# Allegro board HI3516AREFB VER.D.brd (continued)
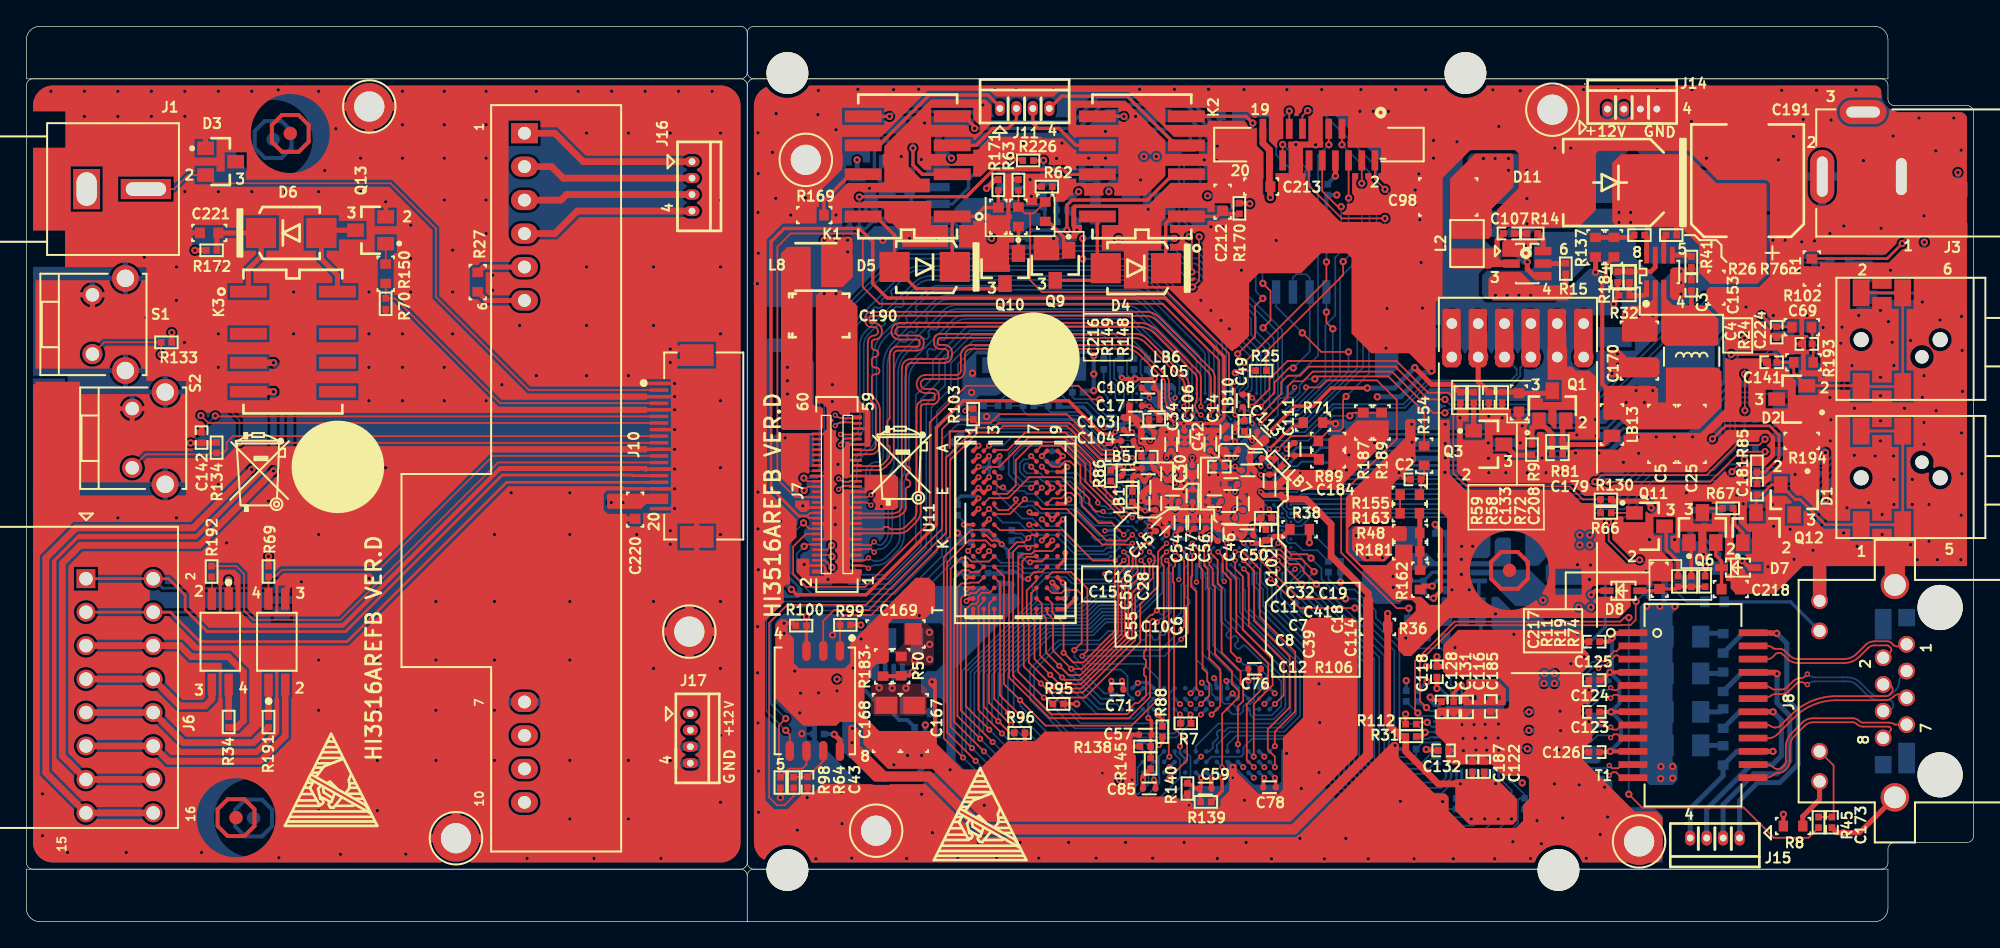
[diagram p0: board, top side]
## Placement (name value [footprint] x y rotation side) (continued)
R195  100  [SR0402]  97.24 55.42 90 bottom
R196  100  [SR0402]  96.27 55.42 90 bottom
R200  15K  [SR0402]  78.57 54.02 0 bottom
R203  75  [SR0402]  64.73 53.26 0 bottom
R204  2.7K  [SR0402]  78.57 56.05 180 bottom
R205  2.7K  [SR0402]  78.57 57.07 180 bottom
R206  22  [SR0402]  74.51 51.86 180 bottom
R208  10K  [SR0402]  77.17 54.66 90 bottom
R209  10K  [SR0402]  70.19 51.86 180 bottom
R210  10K  [SR0402]  80.09 56.69 90 bottom
R211  10K  [SR0402]  77.81 53.13 180 bottom
R221  4.7K  [SR0402]  78.57 55.04 180 bottom
R225  1K  [SR0402]  64.73 54.28 180 bottom
R226  100K  [SR0402]  76 57.78 180 top
R228  6.8K  [SR0402]  72.09 51.91 180 bottom
R229  6.8K  [SR0402]  77.17 56.43 90 bottom
S1  EVQPF204R  [TSW4-RG-C]  5.01 47.59 270 top
S2  EVQPF204R  [TSW4-RG-C]  8.03 38.95 270 top
T1  G24_0413ER  [STFM24-40-280]  126.45 16.43 270 top
U1  -  [POE]  37.79 59.86 270 top
U2  RTL8211E_VL  [MLF48A-040-0606L]  109.9 14.2 270 bottom
U3  BR_1225F1AN  [BAT2-3_5]  65.82 45.51 90 bottom
U4  MX25L25635F  [WSON8-50-0806L]  59.82 16.76 180 top
U5  ADM3485EAR_REEL7  [SOP8-50-150]  96.73 50.47 180 bottom
U6  MP1494S  [TSOT23-8]  123.91 49.32 0 top
U8  HI3516AV100  [BGA395-26-2222]  89.11 33.27 90 bottom
U9  PS2801_1_F3  [SGO4-50-173]  19 21.25 0 top
U10  PS2801_1_F3  [SGO4-50-173]  14.71 21.25 180 top
U11  H5TC4G63AFR_PBA1  [BGA96-32-1609G]  75.04 29.74 270 top
U12  H5TC4G63AFR_PBA1  [BGA96-32-1609G]  88.32 14.52 180 bottom
U13  MP6507  [QFN16-050-0303LH]  89.81 58.33 0 bottom
U15  MP1470H  [TSOT23-6]  113.88 49.96 270 top
U16  LM358  [SOP8-50-150]  71.83 55.12 270 bottom
U17  MP2122  [TSOT23-8]  108.92 26.84 90 bottom
U18  MP2122  [TSOT23-8]  65.49 17.67 180 bottom
U19  NC  [SOT23-6B]  85.03 54.09 270 bottom
X1  24MEG  [HSX4-0302]  74.33 41.45 180 bottom
X2  32.768KHZ  [HSX2-0302]  78.65 41.96 180 bottom

## Library data of the parts
C1 C2 C69 C174 C175 = HSC0402
C3 C4 C11 C33 C43 C101 C102 C107 C110 C112 C116 C118 C122-C126 C128 C129 C131-C134 C139 C141 C142 C172 C173 C177 C179-C182 C185-C189 C192 C197-C200 C214 C223 C224 C227 C228 C243 C247 C248 = SC0402
C5 C25 C162-C169 C193-C196 = SC1206
C6-C8 C10 C12 C14-C19 C28 C30 C32 C34 C39 C41 C42 C45-C47 C49-C51 C54-C57 C59 C62 C64 C68 C71 C76 C78 C83 C85 C90 C93 C103-C106 C108 C111 C113 C114 = SC0402-BGA
C97 C98 C170 = SC1210
C109 C190 = STC3528
C153 C159 C184 C208 C209 C212 C213 C215-C218 C220 C221 = SC0603
C191 = SCAPC2-280-327
D1-D3 D12 Q1-Q13 = SOT23
D4-D6 D9 D10 = SD1714A
D7 D8 = SOD323
D11 = SD2723
F1 = SF6127
J1 = VAF2
J2 = WL-UW163DN
J3 = PWC0103-M-N
J4 J5 = PHONEJ6
J6 = HD2X8_2_54
J7 = SED60-16F-A
J8 = MJ8-SRLFY
J9 = FPC20-1_0MM
J10 = FPC-20
J11 J14-J17 = WBC0104-49T
J12 = WTB4-1_25
J13 = TF_CARD-MISOSD
K1-K3 = SRLY8-87-283
L1 = L4018
L2-L7 = HSL1008
L8 = SPL0303A
LB1 LB5-LB7 LB10 = SL0402
LB13 = SL0805
LED1 = LED4-SMD
LED2 = SD3-1208-LED
M5-M11 = HOLE140-90
R1 R8 R27 R47-R49 R71 R77 R78 R90-R93 R102 R137 R148-R150 R152-R155 R160-R163 R169 R176 R178-R187 R189 = SR0603: signal model: SR0402
R2-R5 R9-R12 R14 R15 R17 R19-R26 R28-R32 R34 R35 R37 R41 R44 R45 R54-R64 R66 R67 R69 R70 R72-R74 R76 R81 R82 R85-R88 R95 R96 R98-R100 R103 R105-R112 R115 R119 R121 R124-R134 R138-R145 R170-R172 R188 R190-R192 R195 R196 R200 R203-R206 R208-R211 R221 R225 R226 R228 R229 = SR0402
R6 R7 = SR0402: signal model: SR0402_33
R13 R16 R18 R33 R36 R38 R46 R50 R89 R175 R177 R193 R194 = SR0603
S1 S2 = TSW4-RG-C
T1 = STFM24-40-280
U1 = POE
U2 = MLF48A-040-0606L
U3 = BAT2-3_5
U4 = WSON8-50-0806L: signal model: SR0402
U5 U16 = SOP8-50-150
U6 U17 U18 = TSOT23-8
U8 = BGA395-26-2222
U9 U10 = SGO4-50-173
U11 U12 = BGA96-32-1609G
U13 = QFN16-050-0303LH
U15 = TSOT23-6
U19 = SOT23-6B
X1 = HSX4-0302
X2 = HSX2-0302

## Footprints (pads in the part's own frame, mm; a bottom-side part is the same pattern mirrored in y, then rotated)
BAT2-3_5
  rect 1.016x4.013 smd: 1(-1.75,-8.18) 2(1.75,-8.18)
BGA96-32-1609G
  round 0.356 smd: A1(-6,-3.2) A2(-6,-2.4) A3(-6,-1.6) A7(-6,1.6) A8(-6,2.4) A9(-6,3.2) B1(-5.2,-3.2) B2(-5.2,-2.4) B3(-5.2,-1.6) B7(-5.2,1.6) B8(-5.2,2.4) B9(-5.2,3.2) C1(-4.4,-3.2) C2(-4.4,-2.4) C3(-4.4,-1.6) C7(-4.4,1.6) C8(-4.4,2.4) C9(-4.4,3.2) D1(-3.6,-3.2) D2(-3.6,-2.4) D3(-3.6,-1.6) D7(-3.6,1.6) D8(-3.6,2.4) D9(-3.6,3.2) E1(-2.8,-3.2) E2(-2.8,-2.4) E3(-2.8,-1.6) E7(-2.8,1.6) E8(-2.8,2.4) E9(-2.8,3.2) F1(-2,-3.2) F2(-2,-2.4) F3(-2,-1.6) F7(-2,1.6) F8(-2,2.4) F9(-2,3.2) G1(-1.2,-3.2) G2(-1.2,-2.4) G3(-1.2,-1.6) G7(-1.2,1.6) G8(-1.2,2.4) G9(-1.2,3.2) H1(-0.4,-3.2) H2(-0.4,-2.4) H3(-0.4,-1.6) H7(-0.4,1.6) H8(-0.4,2.4) H9(-0.4,3.2) J1(0.4,-3.2) J2(0.4,-2.4) J3(0.4,-1.6) J7(0.4,1.6) J8(0.4,2.4) J9(0.4,3.2) K1(1.2,-3.2) K2(1.2,-2.4) K3(1.2,-1.6) K7(1.2,1.6) K8(1.2,2.4) K9(1.2,3.2) L1(2,-3.2) L2(2,-2.4) L3(2,-1.6) L7(2,1.6) L8(2,2.4) L9(2,3.2) M1(2.8,-3.2) M2(2.8,-2.4) M3(2.8,-1.6) M7(2.8,1.6) M8(2.8,2.4) M9(2.8,3.2) N1(3.6,-3.2) N2(3.6,-2.4) N3(3.6,-1.6) N7(3.6,1.6) N8(3.6,2.4) N9(3.6,3.2) P1(4.4,-3.2) P2(4.4,-2.4) P3(4.4,-1.6) P7(4.4,1.6) P8(4.4,2.4) P9(4.4,3.2) R1(5.2,-3.2) R2(5.2,-2.4) R3(5.2,-1.6) R7(5.2,1.6) R8(5.2,2.4) R9(5.2,3.2) T1(6,-3.2) T2(6,-2.4) T3(6,-1.6) T7(6,1.6) T8(6,2.4) T9(6,3.2)
BGA395-26-2222
  round 0.254 smd: A1(-6.825,-6.825) A2(-6.825,-6.175) A3(-6.825,-5.525) A4(-6.825,-4.875) A5(-6.825,-4.225) A6(-6.825,-3.575) A7(-6.825,-2.925) A8(-6.825,-2.275) A9(-6.825,-1.625) A10(-6.825,-0.975) A11(-6.825,-0.325) A12(-6.825,0.325) A13(-6.825,0.975) A14(-6.825,1.625) A15(-6.825,2.275) A16(-6.825,2.925) A17(-6.825,3.575) A18(-6.825,4.225) A19(-6.825,4.875) A20(-6.825,5.525) A21(-6.825,6.175) A22(-6.825,6.825) AA1(6.175,-6.825) AA2(6.175,-6.175) AA3(6.175,-5.525) AA4(6.175,-4.875) AA5(6.175,-4.225) AA6(6.175,-3.575) AA7(6.175,-2.925) AA8(6.175,-2.275) AA9(6.175,-1.625) AA10(6.175,-0.975) AA11(6.175,-0.325) AA12(6.175,0.325) AA13(6.175,0.975) AA14(6.175,1.625) AA15(6.175,2.275) AA16(6.175,2.925) AA17(6.175,3.575) AA18(6.175,4.225) AA19(6.175,4.875) AA20(6.175,5.525) AA21(6.175,6.175) AA22(6.175,6.825) AB1(6.825,-6.825) AB2(6.825,-6.175) AB3(6.825,-5.525) AB4(6.825,-4.875) AB5(6.825,-4.225) AB6(6.825,-3.575) AB7(6.825,-2.925) AB8(6.825,-2.275) AB9(6.825,-1.625) AB10(6.825,-0.975) AB11(6.825,-0.325) AB12(6.825,0.325) AB13(6.825,0.975) AB14(6.825,1.625) AB15(6.825,2.275) AB16(6.825,2.925) AB17(6.825,3.575) AB18(6.825,4.225) AB19(6.825,4.875) AB20(6.825,5.525) AB21(6.825,6.175) AB22(6.825,6.825) B1(-6.175,-6.825) B2(-6.175,-6.175) B3(-6.175,-5.525) B4(-6.175,-4.875) B5(-6.175,-4.225) B6(-6.175,-3.575) B7(-6.175,-2.925) B8(-6.175,-2.275) B9(-6.175,-1.625) B10(-6.175,-0.975) B11(-6.175,-0.325) B12(-6.175,0.325) B13(-6.175,0.975) B14(-6.175,1.625) B15(-6.175,2.275) B16(-6.175,2.925) B17(-6.175,3.575) B18(-6.175,4.225) B19(-6.175,4.875) B20(-6.175,5.525) B21(-6.175,6.175) B22(-6.175,6.825) C1(-5.525,-6.825) C2(-5.525,-6.175) C3(-5.525,-5.525) C4(-5.525,-4.875) C5(-5.525,-4.225) C6(-5.525,-3.575) C7(-5.525,-2.925) C8(-5.525,-2.275) C9(-5.525,-1.625) C10(-5.525,-0.975) C11(-5.525,-0.325) C12(-5.525,0.325) C13(-5.525,0.975) C14(-5.525,1.625) C15(-5.525,2.275) C16(-5.525,2.925) C18(-5.525,4.225) C19(-5.525,4.875) C20(-5.525,5.525) C21(-5.525,6.175) C22(-5.525,6.825) D1(-4.875,-6.825) D2(-4.875,-6.175) D3(-4.875,-5.525) D4(-4.875,-4.875) D5(-4.875,-4.225) D6(-4.875,-3.575) D7(-4.875,-2.925) D8(-4.875,-2.275) D9(-4.875,-1.625) D10(-4.875,-0.975) D11(-4.875,-0.325) D12(-4.875,0.325) D13(-4.875,0.975) D14(-4.875,1.625) D15(-4.875,2.275) D16(-4.875,2.925) D17(-4.875,3.575) D18(-4.875,4.225) D19(-4.875,4.875) D20(-4.875,5.525) D21(-4.875,6.175) D22(-4.875,6.825) E1(-4.225,-6.825) E2(-4.225,-6.175) E3(-4.225,-5.525) E4(-4.225,-4.875) E5(-4.225,-4.225) E6(-4.225,-3.575) E7(-4.225,-2.925) E8(-4.225,-2.275) E9(-4.225,-1.625) E10(-4.225,-0.975) E11(-4.225,-0.325) E12(-4.225,0.325) E13(-4.225,0.975) E14(-4.225,1.625) E17(-4.225,3.575) E18(-4.225,4.225) E19(-4.225,4.875) E20(-4.225,5.525) E21(-4.225,6.175) E22(-4.225,6.825) F1(-3.575,-6.825) F2(-3.575,-6.175) F3(-3.575,-5.525) F4(-3.575,-4.875) F5(-3.575,-4.225) F18(-3.575,4.225) F19(-3.575,4.875) F20(-3.575,5.525) F21(-3.575,6.175) F22(-3.575,6.825) G1(-2.925,-6.825) G2(-2.925,-6.175) G3(-2.925,-5.525) G4(-2.925,-4.875) G5(-2.925,-4.225) G18(-2.925,4.225) G19(-2.925,4.875) G20(-2.925,5.525) G21(-2.925,6.175) G22(-2.925,6.825) H1(-2.275,-6.825) H2(-2.275,-6.175) H3(-2.275,-5.525) H4(-2.275,-4.875) H8(-2.275,-2.275) H9(-2.275,-1.625) H10(-2.275,-0.975) H11(-2.275,-0.325) H12(-2.275,0.325) H13(-2.275,0.975) H14(-2.275,1.625) H15(-2.275,2.275) H18(-2.275,4.225) H19(-2.275,4.875) H20(-2.275,5.525) H21(-2.275,6.175) H22(-2.275,6.825) J1(-1.625,-6.825) J2(-1.625,-6.175) J3(-1.625,-5.525) J4(-1.625,-4.875) J5(-1.625,-4.225) J8(-1.625,-2.275) J9(-1.625,-1.625) J10(-1.625,-0.975) J11(-1.625,-0.325) J12(-1.625,0.325) J13(-1.625,0.975) J14(-1.625,1.625) J15(-1.625,2.275) J19(-1.625,4.875) J20(-1.625,5.525) J21(-1.625,6.175) J22(-1.625,6.825) K1(-0.975,-6.825) K2(-0.975,-6.175) K3(-0.975,-5.525) K4(-0.975,-4.875) K5(-0.975,-4.225) K8(-0.975,-2.275) K9(-0.975,-1.625) K10(-0.975,-0.975) K11(-0.975,-0.325) K12(-0.975,0.325) K13(-0.975,0.975) K14(-0.975,1.625) K15(-0.975,2.275) K18(-0.975,4.225) K19(-0.975,4.875) K20(-0.975,5.525) K21(-0.975,6.175) K22(-0.975,6.825) L1(-0.325,-6.825) L2(-0.325,-6.175) L3(-0.325,-5.525) L4(-0.325,-4.875) L5(-0.325,-4.225) L8(-0.325,-2.275) L9(-0.325,-1.625) L10(-0.325,-0.975) L11(-0.325,-0.325) L12(-0.325,0.325) L13(-0.325,0.975) L14(-0.325,1.625) L15(-0.325,2.275) L18(-0.325,4.225) L19(-0.325,4.875) L20(-0.325,5.525) L21(-0.325,6.175) L22(-0.325,6.825) M1(0.325,-6.825) M2(0.325,-6.175) M3(0.325,-5.525) M4(0.325,-4.875) M5(0.325,-4.225) M8(0.325,-2.275) M9(0.325,-1.625) M10(0.325,-0.975) M11(0.325,-0.325) M12(0.325,0.325) M13(0.325,0.975) M14(0.325,1.625) M15(0.325,2.275) M18(0.325,4.225) M19(0.325,4.875) M20(0.325,5.525) M21(0.325,6.175) M22(0.325,6.825) N1(0.975,-6.825) N2(0.975,-6.175) N3(0.975,-5.525) N4(0.975,-4.875) N5(0.975,-4.225) N8(0.975,-2.275) N9(0.975,-1.625) N10(0.975,-0.975) N11(0.975,-0.325) N12(0.975,0.325) N13(0.975,0.975) N14(0.975,1.625) N15(0.975,2.275) N18(0.975,4.225) N19(0.975,4.875) N20(0.975,5.525) N21(0.975,6.175) N22(0.975,6.825) P1(1.625,-6.825) P2(1.625,-6.175) P3(1.625,-5.525) P4(1.625,-4.875) P5(1.625,-4.225) P8(1.625,-2.275) P9(1.625,-1.625) P10(1.625,-0.975) P11(1.625,-0.325) P12(1.625,0.325) P13(1.625,0.975) P14(1.625,1.625) P15(1.625,2.275) P18(1.625,4.225) P19(1.625,4.875) P20(1.625,5.525) P21(1.625,6.175) P22(1.625,6.825) R1(2.275,-6.825) R2(2.275,-6.175) R3(2.275,-5.525) R4(2.275,-4.875) R5(2.275,-4.225) R8(2.275,-2.275) R9(2.275,-1.625) R10(2.275,-0.975) R11(2.275,-0.325) R12(2.275,0.325) R13(2.275,0.975) R14(2.275,1.625) R15(2.275,2.275) R18(2.275,4.225) R19(2.275,4.875) R20(2.275,5.525) R21(2.275,6.175) R22(2.275,6.825) T1(2.925,-6.825) T2(2.925,-6.175) T3(2.925,-5.525) T4(2.925,-4.875) T5(2.925,-4.225) T18(2.925,4.225) T19(2.925,4.875) T20(2.925,5.525) T21(2.925,6.175) T22(2.925,6.825) U1(3.575,-6.825) U2(3.575,-6.175) U3(3.575,-5.525) U4(3.575,-4.875) U5(3.575,-4.225) U19(3.575,4.875) U20(3.575,5.525) U21(3.575,6.175) U22(3.575,6.825) V1(4.225,-6.825) V2(4.225,-6.175) V3(4.225,-5.525) V4(4.225,-4.875) V5(4.225,-4.225) V6(4.225,-3.575) V8(4.225,-2.275) V10(4.225,-0.975) V11(4.225,-0.325) V12(4.225,0.325) V13(4.225,0.975) V15(4.225,2.275) V16(4.225,2.925) V17(4.225,3.575) V18(4.225,4.225) V19(4.225,4.875) V20(4.225,5.525) V21(4.225,6.175) V22(4.225,6.825) W1(4.875,-6.825) W2(4.875,-6.175) W3(4.875,-5.525) W4(4.875,-4.875) W5(4.875,-4.225) W6(4.875,-3.575) W7(4.875,-2.925) W8(4.875,-2.275) W9(4.875,-1.625) W10(4.875,-0.975) W11(4.875,-0.325) W12(4.875,0.325) W13(4.875,0.975) W14(4.875,1.625) W15(4.875,2.275) W16(4.875,2.925) W17(4.875,3.575) W18(4.875,4.225) W19(4.875,4.875) W20(4.875,5.525) W21(4.875,6.175) W22(4.875,6.825) Y1(5.525,-6.825) Y2(5.525,-6.175) Y3(5.525,-5.525) Y4(5.525,-4.875) Y5(5.525,-4.225) Y6(5.525,-3.575) Y7(5.525,-2.925) Y8(5.525,-2.275) Y9(5.525,-1.625) Y10(5.525,-0.975) Y11(5.525,-0.325) Y12(5.525,0.325) Y13(5.525,0.975) Y14(5.525,1.625) Y15(5.525,2.275) Y16(5.525,2.925) Y17(5.525,3.575) Y18(5.525,4.225) Y19(5.525,4.875) Y20(5.525,5.525) Y21(5.525,6.175) Y22(5.525,6.825)
FPC20-1_0MM
  rect 0.508x1.524 smd: 1(4.75,1.2) 2(4.25,-1.2) 3(3.75,1.2) 4(3.25,-1.2) 5(2.75,1.2) 6(2.25,-1.2) 7(1.75,1.2) 8(1.25,-1.2) 9(0.75,1.2) 10(0.25,-1.2) 11(-0.25,1.2) 12(-0.75,-1.2) 13(-1.25,1.2) 14(-1.75,-1.2) 15(-2.25,1.2) 16(-2.75,-1.2) 17(-3.25,1.2) 18(-3.75,-1.2) 19(-4.25,1.2) 20(-4.75,-1.2)
  rect 1.905x2.159 smd: 21(-6.35,0) 22(6.35,0)
FPC-20
  rect 0.254x1.397 smd: 1(4.75,3.392) 2(4.25,3.392) 3(3.75,3.392) 4(3.25,3.392) 5(2.75,3.392) 6(2.25,3.392) 7(1.75,3.392) 8(1.25,3.392) 9(0.75,3.392) 10(0.25,3.392) 11(-0.25,3.392) 12(-0.75,3.392) 13(-1.25,3.392) 14(-1.75,3.392) 15(-2.25,3.392) 16(-2.75,3.392) 17(-3.25,3.392) 18(-3.75,3.392) 19(-4.25,3.392) 20(-4.75,3.392)
  rect 1.651x2.54 smd: 21(-6.9,0.53) 22(6.9,0.53)
HD2X8_2_54
  rect 1.422x1.422 hole 1.016: 1(17.78,5.1)
  round 1.422 hole 1.016: 2(17.78,0) 3(15.24,5.1) 4(15.24,0) 5(12.7,5.1) 6(12.7,0) 7(10.16,5.1) 8(10.16,0) 9(7.62,5.1) 10(7.62,0) 11(5.08,5.1) 12(5.08,0) 13(2.54,5.1) 14(2.54,0) 15(0,5.1) 16(0,0)
HOLE140-90
  round 3.556 hole 2.286: 1(0,0)
HSC0402
  rect 0.508x0.508 smd: 1(-0.406,0) 2(0.406,0)
HSL1008
  rect 0.94x1.905 smd: 1(-1.029,0) 2(1.029,0)
HSX2-0302
  rect 1.016x1.778 smd: 1(-1.25,0) 2(1.25,0)
HSX4-0302
  rect 1.397x1.219 smd: 1(-1.1,-0.8) 2(1.1,-0.8) 3(1.1,0.8) 4(-1.1,0.8)
L4018
  rect 1.95x3.9 smd: 1(-1.825,0) 2(1.825,0)
LED4-SMD
  rect 0.508x0.61 smd: 1(1.101,-0.451) 2(-1.101,-0.451)
  rect 0.406x0.61 smd: 3(0.376,-0.451) 4(-0.376,-0.451)
MJ8-SRLFY
  round 3.429 hole 3.429 unplated: (-2.794,2.54) (9.906,2.54)
  round 1.27 hole 0.914: 1(0,0) 2(1.016,-1.778) 3(2.032,0) 4(3.048,-1.778) 5(4.064,0) 6(5.08,-1.778) 7(6.096,0) 8(7.112,-1.778) 13(-3.302,-6.604) 14(-1.016,-6.604) 15(8.128,-6.604) 16(10.414,-6.604)
  round 2.159 hole 1.651: 11(-4.508,-0.889) 12(11.62,-0.889)
MLF48A-040-0606L
  rect 0.203x0.61 smd: 1(-2.2,-2.879) 2(-1.8,-2.879) 3(-1.4,-2.879) 4(-1,-2.879) 5(-0.6,-2.879) 6(-0.2,-2.879) 7(0.2,-2.879) 8(0.6,-2.879) 9(1,-2.879) 10(1.4,-2.879) 11(1.8,-2.879) 12(2.2,-2.879) 25(2.2,2.879) 26(1.8,2.879) 27(1.4,2.879) 28(1,2.879) 29(0.6,2.879) 30(0.2,2.879) 31(-0.2,2.879) 32(-0.6,2.879) 33(-1,2.879) 34(-1.4,2.879) 35(-1.8,2.879) 36(-2.2,2.879)
  rect 0.61x0.203 smd: 13(2.879,-2.2) 14(2.879,-1.8) 15(2.879,-1.4) 16(2.879,-1) 17(2.879,-0.6) 18(2.879,-0.2) 19(2.879,0.2) 20(2.879,0.6) 21(2.879,1) 22(2.879,1.4) 23(2.879,1.8) 24(2.879,2.2) 37(-2.879,2.2) 38(-2.879,1.8) 39(-2.879,1.4) 40(-2.879,1) 41(-2.879,0.6) 42(-2.879,0.2) 43(-2.879,-0.2) 44(-2.879,-0.6) 45(-2.879,-1) 46(-2.879,-1.4) 47(-2.879,-1.8) 48(-2.879,-2.2)
  rect 4.445x4.445 smd: 49(0,0)
PHONEJ6
  round 1.143 hole 1.143 unplated: (-2.54,0) (3.454,0)
  rect 1.27x2.032 smd: 1(3.454,3.556) 2(3.454,-3.556) 3(0.305,3.556) 4(0.305,-3.556) 5(-3.048,3.556) 6(-3.048,-3.556)
POE
  rect 1.524x2.032 hole 0.965: 1(0,0)
  oval 1.524x2.032 hole 0.965: 2(2.54,0) 3(5.08,0) 4(7.62,0) 5(10.16,0) 6(12.7,0) 7(43.18,0) 8(45.72,0) 9(48.26,0) 10(50.8,0)
PWC0103-M-N
  rect 1.829x3.81 hole 0.813x2.794: 1(0,0)
  oval 1.829x4.064 hole 0.813x3.048: 2(-6,0)
  oval 3.556x1.829 hole 2.54x0.813: 3(-2.9,4.9)
QFN16-050-0303LH
  oval 0.254x0.889 smd: 1(-0.75,-1.5) 2(-0.25,-1.5) 3(0.25,-1.5) 4(0.75,-1.5) 9(0.75,1.5) 10(0.25,1.5) 11(-0.25,1.5) 12(-0.75,1.5)
  oval 0.889x0.254 smd: 5(1.5,-0.75) 6(1.5,-0.25) 7(1.5,0.25) 8(1.5,0.75) 13(-1.5,0.75) 14(-1.5,0.25) 15(-1.5,-0.25) 16(-1.5,-0.75)
  rect 1.651x1.651 smd: 17(0,0)
SC0402
  rect 0.508x0.508 smd: 1(-0.406,0) 2(0.406,0)
SC0402-BGA
  custom 0.475x0.51 smd: 1(-0.47,0) 2(0.47,0)
SC0603
  rect 0.762x0.813 smd: 1(-0.699,0) 2(0.699,0)
SC1206
  rect 1.295x1.651 smd: 1(-1.346,0) 2(1.346,0)
SC1210
  rect 1.295x2.413 smd: 1(-1.346,0) 2(1.346,0)
SCAPC2-280-327
  rect 4.115x2.184 smd: 1(-3.55,0) 2(3.55,0)
SD3-1208-LED
  rect 1.143x1.524 smd: 1(1.56,0) 2(-1.56,0)
  rect 0.889x0.889 smd: 3(0,-0.65)
SD1714A
  rect 2.286x2.286 smd: 1(-2.286,0) 2(2.286,0)
SD2723
  rect 2.794x3.81 smd: 1(-3.556,0) 2(3.556,0)
SED60-16F-A
  rect 0.305x0.711 smd: 1(-5.851,-1.54) 2(-5.851,1.54) 59(5.851,-1.54) 60(5.851,1.54)
  rect 0.203x0.711 smd: 3(-5.4,-1.54) 4(-5.4,1.54) 5(-5,-1.54) 6(-5,1.54) 7(-4.6,-1.54) 8(-4.6,1.54) 9(-4.2,-1.54) 10(-4.2,1.54) 11(-3.8,-1.54) 12(-3.8,1.54) 13(-3.4,-1.54) 14(-3.4,1.54) 15(-3,-1.54) 16(-3,1.54) 17(-2.6,-1.54) 18(-2.6,1.54) 19(-2.2,-1.54) 20(-2.2,1.54) 21(-1.8,-1.54) 22(-1.8,1.54) 23(-1.4,-1.54) 24(-1.4,1.54) 25(-1,-1.54) 26(-1,1.54) 27(-0.6,-1.54) 28(-0.6,1.54) 29(-0.2,-1.54) 30(-0.2,1.54) 31(0.2,-1.54) 32(0.2,1.54) 33(0.6,-1.54) 34(0.6,1.54) 35(1,-1.54) 36(1,1.54) 37(1.4,-1.54) 38(1.4,1.54) 39(1.8,-1.54) 40(1.8,1.54) 41(2.2,-1.54) 42(2.2,1.54) 43(2.6,-1.54) 44(2.6,1.54) 45(3,-1.54) 46(3,1.54) 47(3.4,-1.54) 48(3.4,1.54) 49(3.8,-1.54) 50(3.8,1.54) 51(4.2,-1.54) 52(4.2,1.54) 53(4.6,-1.54) 54(4.6,1.54) 55(5,-1.54) 56(5,1.54) 57(5.4,-1.54) 58(5.4,1.54)
SF6127
  rect 2.286x3.175 smd: 1(-2.54,0) 2(2.54,0)
SGO4-50-173
  rect 0.635x1.651 smd: 1(-0.635,-3.25) 2(0.635,-3.25) 3(0.635,3.25) 4(-0.635,3.25)
SL0402
  rect 0.483x0.508 smd: 1(-0.394,0) 2(0.394,0)
SL0805
  rect 0.94x1.27 smd: 1(-0.851,0) 2(0.851,0)
SOD323
  rect 0.991x0.508 smd: 1(1.253,0) 2(-1.253,0)
SOP8-50-150
  rect 0.635x1.778 smd: 1(-1.905,-2.667) 2(-0.635,-2.667) 3(0.635,-2.667) 4(1.905,-2.667) 5(1.905,2.667) 6(0.635,2.667) 7(-0.635,2.667) 8(-1.905,2.667)
SOT23
  rect 1.016x1.27 smd: 1(-1.016,-1.143) 2(1.016,-1.143) 3(0,1.143)
SOT23-6B
  rect 0.635x1.397 smd: 1(-0.95,-1.225) 2(0,-1.225) 3(0.95,-1.225) 4(0.95,1.225) 5(0,1.225) 6(-0.95,1.225)
SPL0303A
  rect 1.575x3.048 smd: 1(-1.201,0) 2(1.201,0)
SR0402
  rect 0.508x0.508 smd: 1(-0.406,0) 2(0.406,0)
SR0603
  rect 0.711x0.813 smd: 1(-0.737,0) 2(0.737,0)
SRLY8-87-283
  rect 0.889x2.794 smd: 1(-3.8,-3.378) 2(-0.6,-3.378) 3(1.6,-3.378) 4(3.8,-3.378) 5(3.8,3.378) 6(1.6,3.378) 7(-0.6,3.378) 8(-3.8,3.378)
STC3528
  rect 1.727x2.286 smd: 1(-1.499,0) 2(1.499,0)
STFM24-40-280
  rect 0.508x2.184 smd: 1(-5.5,-4.56) 2(-4.5,-4.56) 3(-3.5,-4.56) 4(-2.5,-4.56) 5(-1.5,-4.56) 6(-0.5,-4.56) 7(0.5,-4.56) 8(1.5,-4.56) 9(2.5,-4.56) 10(3.5,-4.56) 11(4.5,-4.56) 12(5.5,-4.56) 13(5.5,4.56) 14(4.5,4.56) 15(3.5,4.56) 16(2.5,4.56) 17(1.5,4.56) 18(0.5,4.56) 19(-0.5,4.56) 20(-1.5,4.56) 21(-2.5,4.56) 22(-3.5,4.56) 23(-4.5,4.56) 24(-5.5,4.56)
TF_CARD-MISOSD
  round 1.016 hole 1.016 unplated: (-4.95,0) (3.05,0)
  rect 0.711x1.651 smd: 1(2.25,10.5) 2(1.15,10.5) 3(0.05,10.5) 4(-1.05,10.5) 5(-2.15,10.5) 6(-3.25,10.5) 7(-4.35,10.5) 8(-5.45,10.5) 12(-6.55,10.5)
  rect 1.27x2.286 smd: 9(-7.75,0.4) 13(7.75,0.4)
  rect 1.219x1.397 smd: 10(-7.75,10)
  rect 1.651x1.397 smd: 11(6.85,10)
TSOT23-6
  rect 0.635x1.27 smd: 1(-0.95,-1.2) 2(0,-1.2) 3(0.95,-1.2) 4(0.95,1.2) 5(0,1.2) 6(-0.95,1.2)
TSOT23-8
  rect 0.356x1.27 smd: 1(-0.975,-1.275) 2(-0.325,-1.275) 3(0.325,-1.275) 4(0.975,-1.275) 5(0.975,1.275) 6(0.325,1.275) 7(-0.325,1.275) 8(-0.975,1.275)
TSW4-RG-C
  round 1.524 hole 1.016: 1(0,0) 2(4.5,0)
  round 2.032 hole 1.321: 3(-1.25,2.5) 4(5.75,2.5)
unnamed#2
  round 3.175 hole 3.175 unplated: (0,0)
unnamed#3
  round 1.016 smd: 1(0,0)
VAF2
  rect 1.524x3.81 hole 1.016x3.048: 1(0,4.496)
  rect 3.048x2.032 hole 2.54x1.524: 2(0,0)
WBC0104-49T
  oval 0.762x1.143 hole 0.508: 1(0,0) 2(1.25,0) 3(2.5,0) 4(3.75,0)
WL-UW163DN
  oval 1x2 hole 0.8: (0,-2.54) (2,-2.54) (4,-2.54) (6,-2.54) (8,-2.54) (10,-2.54)
  round 1.524 hole 0.8: 1(0,0) 2(2,0) 3(4,0) 4(6,0) 5(8,0) 6(10,0)
WSON8-50-0806L
  oval 0.635x1.524 smd: 1(-1.905,-3.8) 2(-0.635,-3.8) 3(0.635,-3.8) 4(1.905,-3.8) 5(1.905,3.8) 6(0.635,3.8) 7(-0.635,3.8) 8(-1.905,3.8)
WTB4-1_25
  rect 0.457x1.219 smd: 1(1.875,-2.74) 2(0.625,-2.74) 3(-0.625,-2.74) 4(-1.875,-2.74)
  rect 1.727x2.438 smd: 5(-4.225,0.18) 6(4.225,0.18)

## Nets
1V1_MEDIA_CORE: C11.1 C12.1 C39.1 C41.1 C42.1 C164.1 L3.1 R47.1 U8.H15 U8.J15 U8.M15 U8.N15 U8.R13 U8.R14
1V1_VDD_DDR_CPU_CORE: C6.1 C7.1 C8.1 C10.1 C16.1 C28.1 C30.1 C32.1 C34.1 C165.1 L4.2 LB5.2 R48.2 U8.H8 U8.H10 U8.H11 U8.H13 U8.H14 U8.J8 U8.K15 U8.L8 U8.M8 U8.N8 U8.P8 U8.P15 U8.R8 U8.R9 U8.R10 U8.R11 U8.R15
1V05_REGOUT: C128.1 C129.1 C131.1 C132.1 C188.1 C189.1 L7.2 U2.3 U2.9 U2.28 U2.36 U2.40
1V8: C114.1 C166.1 L5.2 R36.1 R49.2 U8.L18
1V35: C45.1 C46.1 C47.1 C68.1 C71.1 C76.1 C78.1 C83.1 C85.1 C90.1 C93.1 C169.1 L6.1 R50.1 R139.2 R142.2 R144.2 R145.2 U8.E6 U8.E9 U8.E10 U8.E12 U8.E13 U8.F5 U8.G5 U11.A1 U11.A8 U11.B2 U11.C1 U11.C9 U11.D2 U11.D9 U11.E9 U11.F1 U11.G7 U11.H2 U11.H9 U11.K2 U11.K8 U11.N1 U11.N9 U11.R1 U11.R9 U12.A1 U12.A8 U12.B2 U12.C1 U12.C9 U12.D2 U12.D9 U12.E9 U12.F1 U12.G7 U12.H2 U12.H9 U12.K2 U12.K8 U12.N1 U12.N9 U12.R1 U12.R9
3V3: C5.1 C14.1 C15.1 C17.1 C19.1 C25.1 C49.1 C50.1 C51.1 C101.1 C103.1 C110.1 C112.1 C116.1 C118.1 C139.2 C162.1 C163.1 C167.1 C168.1 C180.1 C185.1 C186.1 C213.1 C215.1 D7.2 D8.1 J9.18 J9.19 L1.2 L8.2(TP-2) LB1.1 LB6.2 LB7.2 LB10.1 LB13.1 LED2.1 Q2.2 R2.1 R3.1 R4.1 R5.1 R8.2 R38.1 R56.2 R57.2 R74.2 R82.2 R99.2 R103.2 R105.2 R111.2 R112.1 R115.1 R124.2 R130.2 R170.1 R171.1 R175.1 R184.1 R221.1 R228.1 U2.6 U2.37 U2.41 U2.44 U2.45 U4.8 U5.8 U8.F18 U8.G18 U8.L5 U8.M5 U8.P18 U8.U4 U8.V16 U8.V17 U13.10 U13.15 U17.7 U18.7 U19.6
3V3_CON: C142.1 C220.1 J10.18 J10.19 J12.1 R69.2 R133.2 R134.2 R172.1 U10.1
3V3_SDXC: C134.1 C209.1 J13.4 Q2.3 R73.2
3V3_WIFI: C133.1 C208.1 J2.5 Q1.3 R72.2
12V0: C97.1 C153.1 C170.1 C191.1 D11.2 F1.2 R15.1 R76.1 U6.2 U15.3
AVDD11_PLL: C104.1 LB5.1 U8.R5
AVDD33_AC: C18.1 LB7.1 U8.N18
AVDD33_PLL: C105.1 LB6.1 U8.U5
AVDD33_USB: C113.1 LB10.2 U8.T18
AVDD_BAT: U3.1 U8.U3
AVDD_DDRPLL: C54.1 C55.1 C56.1 LB1.2 U8.E8 U8.E11 U8.J5
DVDDIO_ETH: C102.1 C122.1 C187.1 R31.1 R36.2 R38.2 R107.1 R108.1 R109.1 R110.1 U2.15 U2.21 U8.E17
GND: C1.2 C2.2 C4.2 C5.2 C6.2 C7.2 C8.2 C10.2 C11.2 C12.2 C14.2 C15.2 C16.2 C17.2 C18.2 C19.2 C25.2 C28.2 C30.2 C32.2 C33.2 C34.2 C39.2 C41.2 C42.2 C43.2 C45.2 C46.2 C47.2 C49.2 C50.2 C51.2 C54.2 C55.2 C56.2 C57.2 C59.2 C62.2 C64.2 C68.2 C69.2 C71.2 C76.2 C78.2 C83.2 C85.2 C90.2 C93.2 C97.2 C98.2 C101.2 C102.2 C103.2 C104.2 C105.2 C106.2 C108.2 C109.2 C110.2 C111.2 C112.2 C113.2 C114.2 C116.2 C118.2 C122.2 C123.2 C124.2 C125.2 C126.2 C128.2 C129.2 C131.2 C132.2 C133.2 C134.2 C141.2 C153.2 C159.1 C162.2 C163.2 C164.2 C165.2 C166.2 C167.2 C168.2 C169.2 C170.2 C172.2 C173.2 C174.2 C175.2 C177.2 C184.2 C185.2 C186.2 C187.2 C188.2 C189.2 C190.2 C191.2 C192.2 C193.2 C194.2 C195.2 C196.2 C197.2 C198.2 C199.2 C200.2 C208.2 C209.2 C212.2 C213.2 C214.2 C215.2 C216.2 C217.2 C218.2 C223.2 C224.2 C227.2 C228.2 C247.2 C248.2 D1.1 D2.1 D11.1 J2.2 J3.1 J3.3 J4.5 J4.6 J5.5 J5.6 J7.1 J7.4 J7.7 J7.13 J7.14 J7.19 J7.20 J7.25 J7.26 J7.31 J7.37 J7.38 J7.43 J7.49 J7.54 J7.55 J8.11 J8.12 J8.13 J9.1 J9.3 J9.5 J9.8 J9.11 J9.14 J9.17 J9.20 J9.21 J9.22 J13.6 J13.9 J13.10 J13.11 J13.13 J14.3 J14.4 M5.1 M6.1 M7.1 M8.1 Q3.2 Q4.2 Q9.2 Q10.2 Q11.2 Q12.2 R1.2 R16.2 R32.2 R33.2 R59.1 R61.1 R62.1 R63.1 R71.1 R72.1 R73.1 R77.2 R78.2 R85.1 R86.1 R87.1 R88.1 R89.1 R95.1 R96.1 R98.1 R100.1 R106.1 R119.2 R121.2 R131.1 R132.1 R137.2 R138.1 R140.1 R141.1 R143.1 R169.1 R176.1 R178.1 R180.2 R181.2 R182.2 R183.2 R187.1 R189.1 R194.1 R194.2 R200.2 R205.2 R208.2 R209.2 R225.2 U2.43 U2.47 U2.49 U3.2 U4.4 U5.5 U6.4 U8.A1 U8.A9 U8.A11 U8.A14 U8.A22 U8.AA6 U8.AA8 U8.AA15 U8.AA18 U8.AB1 U8.AB15 U8.AB22 U8.B9 U8.B11 U8.B14 U8.B17 U8.B20 U8.D17 U8.E5 U8.E7 U8.E14 U8.E18 U8.F1 U8.F2 U8.H9 U8.H12 U8.H18 U8.H22 U8.J9 U8.J10 U8.J11 U8.J12 U8.J13 U8.J14 U8.K5 U8.K8 U8.K9 U8.K10 U8.K11 U8.K12 U8.K13 U8.K14 U8.L9 U8.L10 U8.L11 U8.L12 U8.L13 U8.L14 U8.L15 U8.M9 U8.M10 U8.M11 U8.M12 U8.M13 U8.M14 U8.N5 U8.N9 U8.N10 U8.N11 U8.N12 U8.N13 U8.N14 U8.N21 U8.N22 U8.P5 U8.P9 U8.P10 U8.P11 U8.P12 U8.P13 U8.P14 U8.P19 U8.P20 U8.R1 U8.R12 U8.R18 U8.T5 U8.T21 U8.T22 U8.U19 U8.V1 U8.V2 U8.V5 U8.V10 U8.V13 U8.V15 U8.V18 U8.W3 U8.W11 U8.W14 U8.W17 U8.Y8 U8.Y11 U8.Y14 U11.A9 U11.B1 U11.B3 U11.B9 U11.D1 U11.D8 U11.E1 U11.E2 U11.E8 U11.F9 U11.G1 U11.G8 U11.G9 U11.J2 U11.J8 U11.M1 U11.M9 U11.P1 U11.P9 U11.T1 U11.T9 U12.A9 U12.B1 U12.B3 U12.B9 U12.D1 U12.D8 U12.E1 U12.E2 U12.E8 U12.F9 U12.G1 U12.G8 U12.G9 U12.J2 U12.J8 U12.M1 U12.M9 U12.P1 U12.P9 U12.T1 U12.T9 U13.11 U13.17 U15.1 U16.4 U17.5 U18.5 U19.2 X1.2 X1.4
PGND: C142.2 C220.2 C221.2 D3.1 D12.3 J1.2 J10.1 J10.3 J10.5 J10.8 J10.11 J10.14 J10.17 J10.20 J10.21 J10.22 J12.4 J17.3 J17.4 M9.1 M10.1 M11.1 Q13.2 R70.1 S1.1 S1.3 S1.4 S2.1 S2.3 S2.4 U1.7 U9.3
A-_WHITE: K1.4 U13.2
A_RED: K2.5 U13.16
AC_MIC_IN: C141.1 C182.2 D2.2 J5.1 J5.2 J5.3 J5.4 R193.1
AC_MICBIAS: C214.1 C224.1 R102.2 U8.R22
AC_OUTL: C33.1 C181.2 R85.2 U8.R19
AC_VREF: C111.1 C184.1 U8.R21
ALARM_IN: J6.9 J6.10 R191.2
ALARM_IN_CON: J10.12 R69.1 U9.4
ALARM_IN_GND: J6.11 J6.12 U9.2
ALARM_OUT: J6.5 J6.6 R34.2
ALARM_OUT_CON: J10.13 R192.1
ALARM_OUT_GND: J6.7 J6.8 U10.3
B-_GREEN: K1.5 U13.3
B_BLACK: K2.4 U13.5
CONT+: C248.1 K2.2 R206.1
CONT+/B_BLACK: J11.4 K2.3
CONT-: C247.1 K2.7 R203.1
CONT-/A_RED: J11.3 K2.6
DC_IRIS_PWM: R186.1 U8.AB18
DDR3_1_VREF_CA: C57.1 R138.2 R145.1 U12.M8
DDR3_1_VREF_DQ: C59.1 R139.1 R140.2 U12.H1
DDR3_2_VREF_CA: C62.1 R141.2 R142.1 U11.M8
DDR3_2_VREF_DQ: C64.1 R143.2 R144.1 U11.H1
DDR3_A0: U8.A7 U11.N3 U12.N3
DDR3_A1: U8.C5 U11.P7 U12.P7
DDR3_A2: U8.B5 U11.P3 U12.P3
DDR3_A3: U8.B4 U11.N2 U12.N2
DDR3_A4: U8.C9 U11.P8 U12.P8
DDR3_A5: U8.A4 U11.P2 U12.P2
DDR3_A6: U8.C3 U11.R8 U12.R8
DDR3_A7: U8.A5 U11.R2 U12.R2
DDR3_A8: U8.D4 U11.T8 U12.T8
DDR3_A9: U8.A6 U11.R3 U12.R3
DDR3_A10: U8.C6 U11.L7 U12.L7
DDR3_A11: U8.D6 U11.R7 U12.R7
DDR3_A12: U8.C7 U11.N7 U12.N7
DDR3_A13: U8.B7 U11.T3 U12.T3
DDR3_A14: U8.D5 U11.T7 U12.T7
DDR3_BA0: U8.A3 U11.M2 U12.M2
DDR3_BA1: U8.D9 U11.N8 U12.N8
DDR3_BA2: U8.D8 U11.M3 U12.M3
DDR3_CAS_N: U8.A2 U11.K3 U12.K3
DDR3_CKE: R95.2 U8.D7 U11.K9 U12.K9
DDR3_CLK0_N: R7.1 U8.A10 U12.K7
DDR3_CLK0_P: R7.2 U8.B10 U12.J7
DDR3_CLK1_N: R6.1 U8.B8 U11.K7
DDR3_CLK1_P: R6.2 U8.A8 U11.J7
DDR3_CS0_N: U8.C8 U12.L2
DDR3_CS1_N: U8.B1 U11.L2
DDR3_DM0: U8.B12 U12.E7
DDR3_DM1: U8.D13 U12.D3
DDR3_DM2: U8.H3 U11.E7
DDR3_DM3: U8.F4 U11.D3
DDR3_DQ0: U8.A16 U12.E3
DDR3_DQ1: U8.D12 U12.F7
DDR3_DQ2: U8.C13 U12.F2
DDR3_DQ3: U8.C11 U12.F8
DDR3_DQ4: U8.C14 U12.H3
DDR3_DQ5: U8.C10 U12.H8
DDR3_DQ6: U8.A17 U12.G2
DDR3_DQ7: U8.D11 U12.H7
DDR3_DQ8: U8.C12 U12.D7
DDR3_DQ9: U8.C15 U12.C3
DDR3_DQ10: U8.A12 U12.C8
DDR3_DQ11: U8.D15 U12.C2
DDR3_DQ12: U8.B16 U12.A7
DDR3_DQ13: U8.C16 U12.A2
DDR3_DQ14: U8.D14 U12.B8
DDR3_DQ15: U8.D16 U12.A3
DDR3_DQ16: U8.G3 U11.E3
DDR3_DQ17: U8.D3 U11.F7
DDR3_DQ18: U8.F3 U11.F2
DDR3_DQ19: U8.E4 U11.F8
DDR3_DQ20: U8.C2 U11.H3
DDR3_DQ21: U8.E3 U11.H8
DDR3_DQ22: U8.C1 U11.G2
DDR3_DQ23: U8.D2 U11.H7
DDR3_DQ24: U8.J3 U11.D7
DDR3_DQ25: U8.D1 U11.C3
DDR3_DQ26: U8.J1 U11.C8
DDR3_DQ27: U8.H4 U11.C2
DDR3_DQ28: U8.H2 U11.A7
DDR3_DQ29: U8.J4 U11.A2
DDR3_DQ30: U8.H1 U11.B8
DDR3_DQ31: U8.G4 U11.A3
DDR3_DQS0_N: U8.A15 U12.G3
DDR3_DQS0_P: U8.B15 U12.F3
DDR3_DQS1_N: U8.A13 U12.B7
DDR3_DQS1_P: U8.B13 U12.C7
DDR3_DQS2_N: U8.E2 U11.G3
DDR3_DQS2_P: U8.E1 U11.F3
DDR3_DQS3_N: U8.G1 U11.B7
DDR3_DQS3_P: U8.G2 U11.C7
DDR3_ODT_0: U8.D10 U12.K1
DDR3_ODT_1: U8.B2 U11.K1
DDR3_RAS_N: U8.B3 U11.J3 U12.J3
DDR3_RESET_N: R96.2 U8.B6 U11.T2 U12.T2
DDR3_WE_N: U8.C4 U11.L3 U12.L3
DDR3_ZQ: R86.2 U8.J2
DRV+: C223.1 K1.2 R17.2 R190.2
DRV-: K1.7 R169.2
DVR+/A-_WHITE: J11.2 K1.3
DVR-/B-_GREEN: J11.1 K1.6
EPHY_CLK: R22.1 U2.42
EPHY_RSTN: C192.1 U2.29 U8.D20
FLASH: J6.13 J6.14 K3.3
FLASH_COM: J6.15 J6.16 K3.4
FLASH_CON: J10.4 R70.2 R150.1
FLASH_TRIG: J9.4 R25.1
GPIO1: U8.AA19 U13.14
GPIO2: U8.AB17 U13.13
GPIO3: U8.AB20 U13.7
GPIO4: U8.AB16 U13.8
GPIO5: R62.2 R63.2 R148.1 R149.1 U8.W16
HI3516A_ALARM_IN: J9.12 U8.V22
HI3516A_ALARM_OUT: J9.13 U8.V21
I2C2_SCL: R56.1 U8.AB21 U19.3
I2C2_SDA: R57.1 U8.AA20 U19.4
IRCUT_CONTROL_1: J7.34 U8.Y20
IRCUT_CONTROL_2: J7.36 U8.AB19
IRIS_5V0: C98.1 C228.1 L2.2 Q5.3 R17.1 R18.2 U16.8
LED0_ACTIVE/PHY_AD0: R45.2 R111.1 U2.34
LED1: R131.2 R177.1 U8.Y17
LED1_LINKE/PHY_AD1: R44.2 R121.1 U2.35
LED2: R132.2 R179.1 U8.W18
MDCK: R29.1 U2.30
MDI_0+: T1.2 U2.1
MDI_0-: T1.3 U2.2
MDI_1+: T1.5 U2.4
MDI_1-: T1.6 U2.5
MDI_2+: T1.8 U2.7
MDI_2-: T1.9 U2.8
MDI_3+: T1.11 U2.10
MDI_3-: T1.12 U2.11
MDIO: R31.2 U2.31 U8.D18
MIPI0_CKM: J7.21 U8.Y10
MIPI0_CKP: J7.23 U8.W10
MIPI0_D0M: J7.9 U8.AB10
MIPI0_D0P: J7.11 U8.AA10
MIPI0_D1M: J7.3 U8.AB9
MIPI0_D1P: J7.5 U8.AA9
MIPI0_D2M: J7.27 U8.AB11
MIPI0_D2P: J7.29 U8.AA11
MIPI0_D3M: J7.15 U8.W9
MIPI0_D3P: J7.17 U8.Y9
MIPI1_CKM: J7.47 U8.W13
MIPI1_CKP: J7.45 U8.Y13
MIPI1_D0M: J7.53 U8.AA13
MIPI1_D0P: J7.51 U8.AB13
